# Altium PCB Delay.PcbDoc (part 1 of 2) (continued)
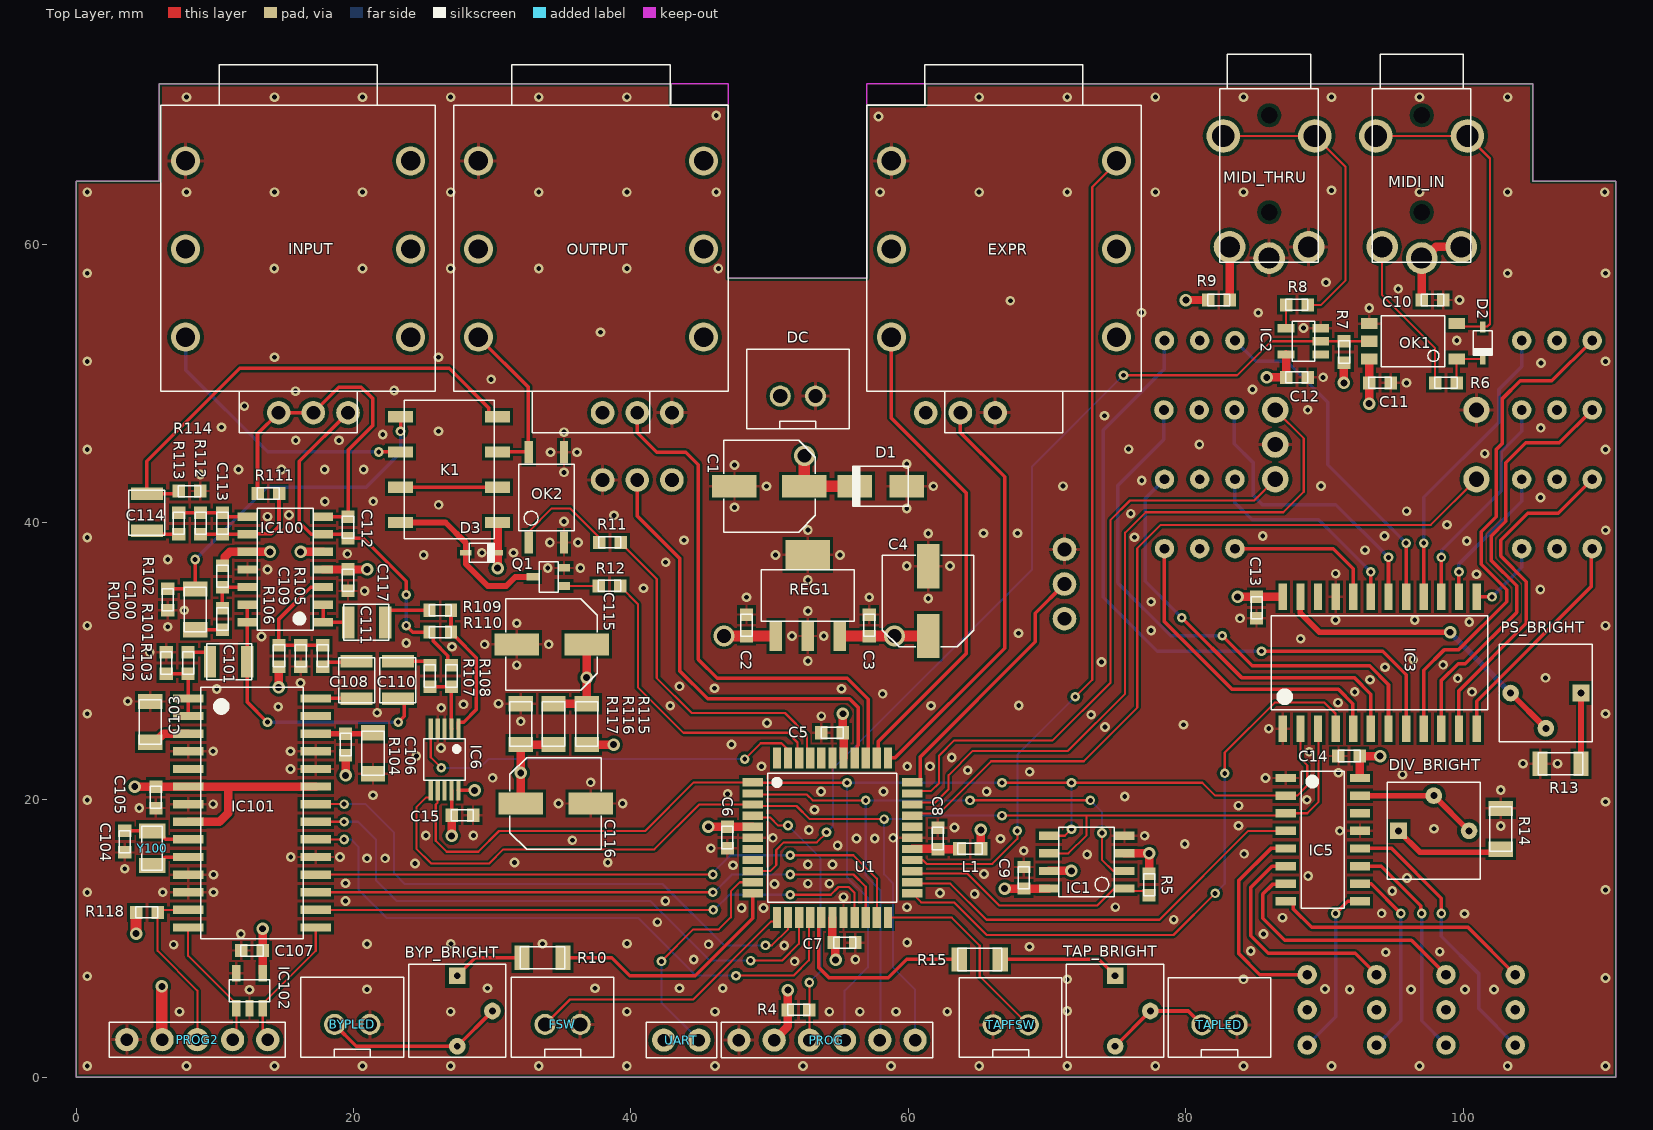
[diagram p0: Top Layer view]
## Footprints (in the part's own frame and the unit in brackets; to place one, negate y for a bottom-side part, rotate by r counter-clockwise, add the part's x,y. Pads: shape width x height; smd on the part's side, far side on the other; paste and mask are expansions set on the pad) (continued)
STEREO [mm]
  round 2.1 hole 1.4: R(0,8.115) RN(0,-8.115) S(6.35,8.115) SN(6.35,-8.115) T(-6.35,8.115) TN(-6.35,-8.115)
  silkscreen extent -13.25,-9.91 13.3,9.91, body extent -14.28,-9.97 14.28,10.03, height 15.5
STEREO_3.5 [mm]
  round 2.285 hole 1.523: R(-2.85,-5.6) S(0,-6.4) S(2.85,-5.6)
  round 2.419 hole 1.613: T(-3.3,2.4) T(3.3,2.4)
  round 0.55 hole 1.2 unplated: ""(0,-3.1) ""(0,3.9)
  silkscreen extent -3.55,-6.7 3.55,8.3, body extent -3.5,-6.31 3.5,8.32, height 6
TLP175A [mm] "SOP, 4-Leads, Body 3.75x4.60mm, Pitch 2.54mm, IPC Medium Density"
  rect 1.6x0.6 smd: 1(-3.25,1.27) 3(-3.25,-1.27) 4(3.25,-1.27) 6(3.25,1.27)
  silkscreen extent -2.4,-2 2.4,2, body extent -3.43,-2 3.43,2, height 2.02
TLP2361 [mm]
  rect 1.2x0.8 smd: 1(-3.15,1.27) 3(-3.15,-1.27) 4(3.15,-1.27) 5(3.15,0) 6(3.15,1.27)
  silkscreen extent -2.27,-1.85 2.27,1.85, body extent -3.47,-1.85 3.47,1.85, height 2.18
TQFP44 [mm]
  rect 1.5x0.6 smd paste-0.075: 1(-5.75,4) 2(-5.75,3.2) 3(-5.75,2.4) 4(-5.75,1.6) 5(-5.75,0.8) 6(-5.75,0) 7(-5.75,-0.8) 8(-5.75,-1.6) 9(-5.75,-2.4) 10(-5.75,-3.2) 11(-5.75,-4) 23(5.75,-4) 24(5.75,-3.2) 25(5.75,-2.4) 26(5.75,-1.6) 27(5.75,-0.8) 28(5.75,0) 29(5.75,0.8) 30(5.75,1.6) 31(5.75,2.4) 32(5.75,3.2) 33(5.75,4)
  rect 0.6x1.5 smd paste-0.075: 12(-4,-5.75) 13(-3.2,-5.75) 14(-2.4,-5.75) 15(-1.6,-5.75) 16(-0.8,-5.75) 17(0,-5.75) 18(0.8,-5.75) 19(1.6,-5.75) 20(2.4,-5.75) 21(3.2,-5.75) 22(4,-5.75) 34(4,5.75) 35(3.2,5.75) 36(2.4,5.75) 37(1.6,5.75) 38(0.8,5.75) 39(0,5.75) 40(-0.8,5.75) 41(-1.6,5.75) 42(-2.4,5.75) 43(-3.2,5.75) 44(-4,5.75)
  silkscreen extent -4.65,-4.65 4.65,4.65, body extent -6,-6 6,6, height 1.2

## Part data
BYP_BRIGHT DIV_BRIGHT PS_BRIGHT TAP_BRIGHT: library part TRIM_10kB_3362P, "10k Lin 3362P trimmer", Price=0.1
BYPLED FSW TAPFSW TAPLED: library part JST-XH-02, "2 Pins male XH header", Price=0.1
C1 C4 C115: library part MCVVT025M101EA6L, "CAP ALUM 100UF 25V SMD", Capacitance=100uF, Manufacturer=Multicomp, Max Operating Temperature=105°C, Min Operating Temperature=-55°C, Ripple Current (AC)=6.3mA, Supplier Part Number 1=2611370, Voltage Rating=25V, ComponentLink1Description=http://www.farnell.com/datasheets/2151198.pdf?src-supplier=Element14, ComponentLink1URL=http://www.farnell.com/datasheets/2151198.pdf?src-supplier=Element14, Diameter=6.3mm, Height=7.7mm, Life (Hours)=2000Hour, Manufacturer Part Number=MCVVT025M101EA6L, Packaging="Tape and Reel", Price=0.102, Pricing="1=0.157, 50=0.104, 100=0.0932, 250=0.0801, 500=0.0681 (EUR)", REACH SVHC="No SVHC", RoHS=No, Stock=1063, Supplier 1=Farnell, Voltage Rating (DC)=25V
C2 C3 C5 C6 C7 C8 C9 C10 C11 C12 C13 C14 C15 C105 C107 C117: library part MC0603B104K500CT, "CAP CER 100NF 50V X7R 0603", Capacitance=100nF, Case Code (Imperial)=0603, Case Code (Metric)=1608, Dielectric=X7R, Manufacturer=Multicomp, Max Operating Temperature=125°C, Min Operating Temperature=-55°C, Supplier Part Number 1=1759122, Tolerance=10%, Voltage Rating=50V, Case/Package=0603, ComponentLink1Description=https://datasheet.ciiva.com/22686/1901289-22686278.pdf?src-supplier=Element14, ComponentLink1URL=https://datasheet.ciiva.com/22686/1901289-22686278.pdf?src-supplier=Element14, ComponentLink2Description=https://datasheet.ciiva.com/22686/1901289-22686279.pdf?src-supplier=Element14, ComponentLink2URL=https://datasheet.ciiva.com/22686/1901289-22686279.pdf?src-supplier=Element14, ComponentLink3Description=https://datasheet.ciiva.com/22648/1901289-22648411.pdf?src-supplier=Element14, ComponentLink3URL=https://datasheet.ciiva.com/22648/1901289-22648411.pdf?src-supplier=Element14, Manufacturer Part Number=MC0603B104K500CT, Number of Pins=2, Packaging="Cut Tape", Price=0.0458, REACH SVHC=Unknown, RoHS=Yes, Stock 1=1057763, Supplier 1=Farnell, Voltage Rating (DC)=50V
C100: library part GRM31C5C1H104JA01L, "CAP CER 100NF 50V C0G/NP0 1206", Capacitance=100nF, Case Code (Imperial)=1206, Case Code (Metric)=3216, Dielectric=C0G, Manufacturer=Murata, Max Operating Temperature=125°C, Min Operating Temperature=-55°C, Package Quantity=1, Supplier Part Number 1=2494294, Temperature Coefficient=30ppm/°C, Tolerance=5%, Voltage=50V, Case/Package=1206, ComponentLink1Description=https://datasheet.ciiva.com/11618/product-11618880.pdf?src-supplier=Avnet, ComponentLink1URL=https://datasheet.ciiva.com/11618/product-11618880.pdf?src-supplier=Avnet, ComponentLink2Description=https://datasheet.ciiva.com/29200/453430-da-01-en-vs-kondensator-1206-29200201.pdf?src-supplier=Conrad, ComponentLink2URL=https://datasheet.ciiva.com/29200/453430-da-01-en-vs-kondensator-1206-29200201.pdf?src-supplier=Conrad, ComponentLink3Description=https://datasheet.ciiva.com/5420/product-5420070.pdf?src-supplier=Mouser, ComponentLink3URL=https://datasheet.ciiva.com/5420/product-5420070.pdf?src-supplier=Mouser, ComponentLink4Description=https://datasheet.ciiva.com/16461/product-16461275.pdf?src-supplier=Future+Electronics, ComponentLink4URL=https://datasheet.ciiva.com/16461/product-16461275.pdf?src-supplier=Future+Electronics, ComponentLink5Description=https://datasheet.ciiva.com/6270/partnumbering-e-01-6270255.pdf?src-supplier=Digi-Key, ComponentLink5URL=https://datasheet.ciiva.com/6270/partnumbering-e-01-6270255.pdf?src-supplier=Digi-Key, Depth=1.6mm, Height=1.6mm, Lead Free="Lead Free", Length=3.2mm, Manufacturer Part Number=GRM31C5C1H104JA01L, Material=Ceramic, Mount="Surface Mount", Packaging="Tape and Reel", Price=0.31, Pricing 1="5 = 0.62500, 50 = 0.31000, 250 = 0.29700, 500 = 0.22200, 1000 = 0.18900 (EUR)", Radiation Hardening=No, REACH SVHC="No SVHC", RoHS=Yes, Stock 1=206865, Supplier 1=Farnell, Termination=SMD/SMT, Thickness=0.071inch, Voltage Rating=50V, Voltage Rating (DC)=50V, Weight=0.000571oz, Width=0.063inch
C101 C108 C110 C111 C114: library part ECP-U1C105MA5, "CAP FILM 1UF 16V 20%", Capacitance=1uF, Case Code (Imperial)=1210, Case Code (Metric)=3225, Dielectric=PPS, Insulation Resistance=300MR, Manufacturer=Panasonic, Max Operating Temperature=85°C, Min Operating Temperature=-40°C, Package Quantity=1, Supplier Part Number 1=9694315, Tolerance=20%, Voltage=16V, Case/Package=1210, Category="Film Capacitors", ComponentLink1Description=https://datasheet.ciiva.com/24023/abd0000ce12-181823-24023616.pdf?src-supplier=Mouser, ComponentLink1URL=https://datasheet.ciiva.com/24023/abd0000ce12-181823-24023616.pdf?src-supplier=Mouser, ComponentLink2Description=https://datasheet.ciiva.com/34303/1983192-34303533.pdf?src-supplier=Jameco, ComponentLink2URL=https://datasheet.ciiva.com/34303/1983192-34303533.pdf?src-supplier=Jameco, ComponentLink3Description=https://datasheet.ciiva.com/11790/0900766b80f2ea72-11790686.pdf?src-supplier=RSComponents, ComponentLink3URL=https://datasheet.ciiva.com/11790/0900766b80f2ea72-11790686.pdf?src-supplier=RSComponents, ComponentLink4Description=https://datasheet.ciiva.com/2992/abd0000ce12-2992994.pdf?src-supplier=Avnet, ComponentLink4URL=https://datasheet.ciiva.com/2992/abd0000ce12-2992994.pdf?src-supplier=Avnet, ComponentLink5Description=https://datasheet.ciiva.com/2992/abd0000ce12-2992995.pdf?src-supplier=Avnet, ComponentLink5URL=https://datasheet.ciiva.com/2992/abd0000ce12-2992995.pdf?src-supplier=Avnet, ComponentLink6Description=https://datasheet.ciiva.com/46399/31740-46399788.pdf?src-supplier=Element14, ComponentLink6URL=https://datasheet.ciiva.com/46399/31740-46399788.pdf?src-supplier=Element14, ComponentLink7Description=https://datasheet.ciiva.com/16433/abd0000ce12-16433502.pdf?src-supplier=Future+Electronics, ComponentLink7URL=https://datasheet.ciiva.com/16433/abd0000ce12-16433502.pdf?src-supplier=Future+Electronics, ComponentLink8Description=https://datasheet.ciiva.com/5710/31740-5710134.pdf?src-supplier=Farnell, ComponentLink8URL=https://datasheet.ciiva.com/5710/31740-5710134.pdf?src-supplier=Farnell, ComponentLink9Description=https://datasheet.ciiva.com/30120/abd0000ce12-30120298.pdf?src-supplier=Onlinecomponents.com, ComponentLink9URL=https://datasheet.ciiva.com/30120/abd0000ce12-30120298.pdf?src-supplier=Onlinecomponents.com, ComponentLink10Description=https://datasheet.ciiva.com/46399/31740-46399787.pdf?src-supplier=Element14, ComponentLink10URL=https://datasheet.ciiva.com/46399/31740-46399787.pdf?src-supplier=Element14, ComponentLink11Description=https://datasheet.ciiva.com/15164/getdatasheetpartid-292104-15164029.pdf?src-supplier=Verical, ComponentLink11URL=https://datasheet.ciiva.com/15164/getdatasheetpartid-292104-15164029.pdf?src-supplier=Verical, Contact Plating=Copper,Tin,Silver, Depth=2.5mm, Dissipation Factor=1.5%, Height=1.4mm, Height - Seated (Max)=0.063inch, Lead Free="Lead Free", Length=3.2mm, Manufacturer Part Number=ECP-U1C105MA5, Mount="Surface Mount", Number of Pins=2, Packaging="Tape and Reel", Pricing="5=0.65900, 50=0.39900, 250=0.33300, 500=0.27300, 1000=0.26400 (EUR)", Radiation Hardening=No, REACH SVHC="No SVHC", RoHS=Yes, Stock=7744, Supplier 1=Farnell, Termination=SMD/SMT, Voltage Rating=16V, Voltage Rating (DC)=16V, Width=2.5mm
C102 C109: library part GRM1885C1H222JA01D, "CAP CER 2.2NF 50V C0G/NP0 0603", Capacitance=2.2nF, Case Code (Imperial)=0603, Case Code (Metric)=1608, Dielectric=C0G, Dielectric Material=Ceramic, Insulation Resistance=10GR, Manufacturer=Murata, Max Operating Temperature=125°C, Min Operating Temperature=-55°C, Package Quantity=1, Supplier Part Number 1=8819947, Temperature Coefficient=30ppm/°C, Tolerance=5%, Voltage=50V, Case/Package=0603, ComponentLink1Description=https://datasheet.ciiva.com/11786/0900766b807a1cab-11786840.pdf?src-supplier=RSComponents, ComponentLink1URL=https://datasheet.ciiva.com/11786/0900766b807a1cab-11786840.pdf?src-supplier=RSComponents, ComponentLink2Description=https://datasheet.ciiva.com/3777/1632grm1885c1h222ja0123-3777835.pdf?src-supplier=Arrow, ComponentLink2URL=https://datasheet.ciiva.com/3777/1632grm1885c1h222ja0123-3777835.pdf?src-supplier=Arrow, ComponentLink3Description=https://datasheet.ciiva.com/2989/product-2989459.pdf?src-supplier=Avnet, ComponentLink3URL=https://datasheet.ciiva.com/2989/product-2989459.pdf?src-supplier=Avnet, ComponentLink4Description=https://datasheet.ciiva.com/6031/4360-6031797.pdf?src-supplier=Farnell, ComponentLink4URL=https://datasheet.ciiva.com/6031/4360-6031797.pdf?src-supplier=Farnell, ComponentLink5Description=https://datasheet.ciiva.com/7828/4360-7828918.pdf?src-supplier=Element14, ComponentLink5URL=https://datasheet.ciiva.com/7828/4360-7828918.pdf?src-supplier=Element14, ComponentLink6Description=https://datasheet.ciiva.com/11463/product-11463974.pdf?src-supplier=Avnet, ComponentLink6URL=https://datasheet.ciiva.com/11463/product-11463974.pdf?src-supplier=Avnet, ComponentLink7Description=https://datasheet.ciiva.com/16624/product-16624150.pdf?src-supplier=Avnet+Europe, ComponentLink7URL=https://datasheet.ciiva.com/16624/product-16624150.pdf?src-supplier=Avnet+Europe, ComponentLink8Description=https://datasheet.ciiva.com/7828/1747455-7828919.pdf?src-supplier=Element14, ComponentLink8URL=https://datasheet.ciiva.com/7828/1747455-7828919.pdf?src-supplier=Element14, ComponentLink9Description=https://datasheet.ciiva.com/133/partnumbering-e-01-133576.pdf?src-supplier=Digi-Key, ComponentLink9URL=https://datasheet.ciiva.com/133/partnumbering-e-01-133576.pdf?src-supplier=Digi-Key, ComponentLink10Description=https://datasheet.ciiva.com/7828/1747455-7828920.pdf?src-supplier=Element14, ComponentLink10URL=https://datasheet.ciiva.com/7828/1747455-7828920.pdf?src-supplier=Element14, ComponentLink11Description=https://datasheet.ciiva.com/133/partnumbering-e-01-133577.pdf?src-supplier=Digi-Key, ComponentLink11URL=https://datasheet.ciiva.com/133/partnumbering-e-01-133577.pdf?src-supplier=Digi-Key, ComponentLink12Description=https://datasheet.ciiva.com/133/partnumbering-e-01-133578.pdf?src-supplier=Digi-Key, ComponentLink12URL=https://datasheet.ciiva.com/133/partnumbering-e-01-133578.pdf?src-supplier=Digi-Key, ComponentLink13Description=https://datasheet.ciiva.com/29241/450664-da-01-en-vs-kondensator-0603-29241770.pdf?src-supplier=Conrad, ComponentLink13URL=https://datasheet.ciiva.com/29241/450664-da-01-en-vs-kondensator-0603-29241770.pdf?src-supplier=Conrad, Depth=0.8mm, Height=0.8mm, Lead Free="Lead Free", Length=1.6mm, Manufacturer Part Number=GRM1885C1H222JA01D, Material=Ceramic, Mount="Surface Mount", Number of Pins=2, Packaging="Tape and Reel", Price=0.0217, Pricing 1="10 = 0.11000, 100 = 0.05180, 500 = 0.04100, 1000 = 0.03510, 2000 = 0.03080 (EUR)", Radiation Hardening=No, REACH SVHC="No SVHC", RoHS=Yes, Stock 1=81117, Supplier 1=Farnell, Termination=SMD/SMT, Thickness=0.035inch, Voltage Rating=50V, Voltage Rating (DC)=50V, Width=0.8mm
C103 C106: library part TMK316B7106KL-TD, "CAP CER 10uF 25V X7R 1206", Capacitance=10uF, Case Code (Imperial)=1206, Case Code (Metric)=3216, Dielectric=X7R, Manufacturer="Taiyo Yuden", Max Operating Temperature=125°C, Min Operating Temperature=-55°C, Package Quantity=1, Resistor Type=Ceramic, Supplier Part Number 1=2113073, Tolerance=10%, Voltage Rating=25V, Case/Package=1206, Category="Ceramic Capacitors", ComponentLink1Description=https://datasheet.ciiva.com/15922/582tmk316ab7106kl-t-15922403.pdf?src-supplier=Onlinecomponents.com, ComponentLink1URL=https://datasheet.ciiva.com/15922/582tmk316ab7106kl-t-15922403.pdf?src-supplier=Onlinecomponents.com, ComponentLink2Description=https://datasheet.ciiva.com/7975/1784422-7975593.pdf?src-supplier=Element14, ComponentLink2URL=https://datasheet.ciiva.com/7975/1784422-7975593.pdf?src-supplier=Element14, ComponentLink3Description=https://datasheet.ciiva.com/30123/25tmk316ab7106kl-t-30123726.pdf?src-supplier=Onlinecomponents.com, ComponentLink3URL=https://datasheet.ciiva.com/30123/25tmk316ab7106kl-t-30123726.pdf?src-supplier=Onlinecomponents.com, ComponentLink4Description=https://datasheet.ciiva.com/7975/mlcc-all-e-7975834.pdf?src-supplier=Element14, ComponentLink4URL=https://datasheet.ciiva.com/7975/mlcc-all-e-7975834.pdf?src-supplier=Element14, ComponentLink5Description=https://datasheet.ciiva.com/139/mlcc-all-e-139531.pdf?src-supplier=Digi-Key, ComponentLink5URL=https://datasheet.ciiva.com/139/mlcc-all-e-139531.pdf?src-supplier=Digi-Key, ComponentLink6Description=https://datasheet.ciiva.com/22748/1481447-22748971.pdf?src-supplier=Element14, ComponentLink6URL=https://datasheet.ciiva.com/22748/1481447-22748971.pdf?src-supplier=Element14, ComponentLink7Description=https://datasheet.ciiva.com/139/mlcc-all-e-139532.pdf?src-supplier=Digi-Key, ComponentLink7URL=https://datasheet.ciiva.com/139/mlcc-all-e-139532.pdf?src-supplier=Digi-Key, ComponentLink8Description=https://datasheet.ciiva.com/139/mlcc-all-e-139533.pdf?src-supplier=Digi-Key, ComponentLink8URL=https://datasheet.ciiva.com/139/mlcc-all-e-139533.pdf?src-supplier=Digi-Key, Height=1.6mm, Length=0.126inch, Manufacturer Part Number=TMK316B7106KL-TD, Mount="Surface Mount", Number of Pins=2, Packaging="Tape and Reel", Price=0.149, REACH SVHC=Unknown, RoHS=Yes, Stock=588931, Supplier 1=Farnell, Termination=SMD/SMT, Thickness=0.071inch, Voltage Rating (DC)=25V, Weight=0.000571oz, Width=1.6mm
C104: library part MC0603N150J500CT, "CAP CER 15PF 50V C0G/NP0 0603", Capacitance=15pF, Case Code (Imperial)=0603, Case Code (Metric)=1608, Dielectric=C0G, Manufacturer=Multicomp, Max Operating Temperature=125°C, Min Operating Temperature=-55°C, Supplier Part Number 1=1759055, Temperature Coefficient=30ppm/°C, Tolerance=5%, Voltage Rating=50V, Case/Package=0603, Category="Ceramic Capacitors", ComponentLink1Description=https://datasheet.ciiva.com/22675/1901289-22675815.pdf?src-supplier=Element14, ComponentLink1URL=https://datasheet.ciiva.com/22675/1901289-22675815.pdf?src-supplier=Element14, ComponentLink2Description=https://datasheet.ciiva.com/22675/1901289-22675816.pdf?src-supplier=Element14, ComponentLink2URL=https://datasheet.ciiva.com/22675/1901289-22675816.pdf?src-supplier=Element14, ComponentLink3Description=https://datasheet.ciiva.com/22648/1901289-22648477.pdf?src-supplier=Element14, ComponentLink3URL=https://datasheet.ciiva.com/22648/1901289-22648477.pdf?src-supplier=Element14, Manufacturer Part Number=MC0603N150J500CT, Number of Pins=2, Packaging="Tape and Reel", Price=0.0356, Pricing="10=0.04660, 100=0.03490, 500=0.02000, 1000=0.01400, 2000=0.01240 (EUR)", REACH SVHC=Unknown, RoHS=Yes, Stock=62089, Supplier 1=Farnell, Voltage Rating (DC)=50V, Width=0.8mm
C112: library part MC0603N221J500CT, "CAP CER 220PF 50V C0G/NP0 0603", Capacitance=220pF, Case Code (Imperial)=0603, Case Code (Metric)=1608, Dielectric=C0G, Manufacturer=Multicomp, Max Operating Temperature=125°C, Min Operating Temperature=-55°C, Supplier Part Number 1=1759071, Tolerance=5%, Voltage Rating=50V, Case/Package=0603, ComponentLink1Description=https://datasheet.ciiva.com/22648/1901289-22648489.pdf?src-supplier=Element14, ComponentLink1URL=https://datasheet.ciiva.com/22648/1901289-22648489.pdf?src-supplier=Element14, ComponentLink2Description=https://datasheet.ciiva.com/22675/1901289-22675354.pdf?src-supplier=Element14, ComponentLink2URL=https://datasheet.ciiva.com/22675/1901289-22675354.pdf?src-supplier=Element14, ComponentLink3Description=https://datasheet.ciiva.com/22675/1901289-22675355.pdf?src-supplier=Element14, ComponentLink3URL=https://datasheet.ciiva.com/22675/1901289-22675355.pdf?src-supplier=Element14, Manufacturer Part Number=MC0603N221J500CT, Number of Pins=2, Packaging="Cut Tape", Price=0.0192, Pricing="10=0.027, 100=0.0219, 500=0.0135, 1000=0.0107, 2000=0.0098 (EUR)", REACH SVHC=Unknown, RoHS=Yes, Stock=17812, Supplier 1=Farnell, Voltage Rating (DC)=50V
C113: library part MC0603N471J500CT, "CAP CER 470PF 50V C0G/NP0 0603", Capacitance=470pF, Case Code (Imperial)=0603, Case Code (Metric)=1608, Dielectric=C0G, Manufacturer=Multicomp, Max Operating Temperature=125°C, Min Operating Temperature=-55°C, Supplier Part Number 1=1759080, Temperature Coefficient=30ppm/°C, Tolerance=5%, Voltage Rating=50V, Case/Package=0603, ComponentLink1Description=https://datasheet.ciiva.com/22648/1901289-22648504.pdf?src-supplier=Element14, ComponentLink1URL=https://datasheet.ciiva.com/22648/1901289-22648504.pdf?src-supplier=Element14, ComponentLink2Description=https://datasheet.ciiva.com/22675/1901289-22675320.pdf?src-supplier=Element14, ComponentLink2URL=https://datasheet.ciiva.com/22675/1901289-22675320.pdf?src-supplier=Element14, ComponentLink3Description=https://datasheet.ciiva.com/22648/1901289-22648505.pdf?src-supplier=Element14, ComponentLink3URL=https://datasheet.ciiva.com/22648/1901289-22648505.pdf?src-supplier=Element14, Manufacturer Part Number=MC0603N471J500CT, Number of Pins=2, Packaging="Cut Tape", Price=0.035, Pricing="10=0.0522, 100=0.0354, 500=0.0206, 1000=0.0189, 2000=0.0171 (EUR)", REACH SVHC=Unknown, RoHS=Yes, Stock=33267, Supplier 1=Farnell, Voltage Rating (DC)=50V, Width=0.8mm
C116: library part MCVVT025M470EA1L, "CAP ALUM 47UF 25V SMD", Capacitance=47uF, Manufacturer=Multicomp, Max Operating Temperature=105°C, Min Operating Temperature=-55°C, Ripple Current (AC)=6.3mA, Supplier Part Number 1=2611377, Voltage Rating=25V, ComponentLink1Description=http://www.farnell.com/datasheets/2151198.pdf?src-supplier=Farnell, ComponentLink1URL=http://www.farnell.com/datasheets/2151198.pdf?src-supplier=Farnell, ComponentLink2Description=http://www.farnell.com/datasheets/2151198.pdf?src-supplier=Element14, ComponentLink2URL=http://www.farnell.com/datasheets/2151198.pdf?src-supplier=Element14, Diameter=6.3mm, Height=5.4mm, Life (Hours)=2000Hour, Manufacturer Part Number=MCVVT025M470EA1L, Packaging="Cut Tape", Price=0.0825, Pricing="1=0.125, 50=0.0825, 100=0.0741, 250=0.0637, 500=0.0542 (EUR)", REACH SVHC="No SVHC", RoHS=No, Stock=1436, Supplier 1=Farnell, Voltage Rating (DC)=25V
D0_4 D0_8 D1_5 D1_9 D2_6 D2_10 D3_7 D3_11 D4_12 D5_13 D6_14 D7_15: library part D_BICOLOR_LED, "BICOLOR LED"
D1: "DIODE GEN PURP 50V 1A SMA", Average Rectified Current=1A, Capacitance=12pF, Case/Package=SMA, Forward Voltage=1.1V, Manufacturer="ON Semiconductor / Fairchild", Max Forward Surge Current (Ifsm)=30A, Max Operating Temperature=150°C, Max Repetitive Reverse Voltage (Vrrm)=50V, Max Surge Current=40A, Min Operating Temperature=-55°C, Package Quantity=1, Peak Reverse Current=1uA, Power Dissipation=1.4W, Supplier Part Number 1=9843868, ComponentLink1Description=https://datasheet.ciiva.com/910/s1a-910480.pdf?src-supplier=Avnet, ComponentLink1URL=https://datasheet.ciiva.com/910/s1a-910480.pdf?src-supplier=Avnet, ComponentLink2Description=https://datasheet.ciiva.com/23683/1730038-23683616.pdf?src-supplier=Newark, ComponentLink2URL=https://datasheet.ciiva.com/23683/1730038-23683616.pdf?src-supplier=Newark, ComponentLink3Description=https://datasheet.ciiva.com/4452/s1a-191336-4452662.pdf?src-supplier=Mouser, ComponentLink3URL=https://datasheet.ciiva.com/4452/s1a-191336-4452662.pdf?src-supplier=Mouser, ComponentLink4Description=https://datasheet.ciiva.com/25624/0900766b80f9b629-25624903.pdf?src-supplier=RSComponents, ComponentLink4URL=https://datasheet.ciiva.com/25624/0900766b80f9b629-25624903.pdf?src-supplier=RSComponents, ComponentLink5Description=https://datasheet.ciiva.com/916/s1a-916898.pdf?src-supplier=Digi-Key, ComponentLink5URL=https://datasheet.ciiva.com/916/s1a-916898.pdf?src-supplier=Digi-Key, ComponentLink6Description=https://datasheet.ciiva.com/916/s1a-916899.pdf?src-supplier=Digi-Key, ComponentLink6URL=https://datasheet.ciiva.com/916/s1a-916899.pdf?src-supplier=Digi-Key, ComponentLink7Description=https://datasheet.ciiva.com/916/s1a-916900.pdf?src-supplier=Digi-Key, ComponentLink7URL=https://datasheet.ciiva.com/916/s1a-916900.pdf?src-supplier=Digi-Key, ComponentLink8Description=https://datasheet.ciiva.com/16800/s1a-16800103.pdf?src-supplier=Future+Electronics, ComponentLink8URL=https://datasheet.ciiva.com/16800/s1a-16800103.pdf?src-supplier=Future+Electronics, ComponentLink9Description=https://datasheet.ciiva.com/28469/1766308-28469031.pdf?src-supplier=Element14, ComponentLink9URL=https://datasheet.ciiva.com/28469/1766308-28469031.pdf?src-supplier=Element14, ComponentLink10Description=https://datasheet.ciiva.com/26231/s1k-26231832.pdf?src-supplier=Avnet+Europe, ComponentLink10URL=https://datasheet.ciiva.com/26231/s1k-26231832.pdf?src-supplier=Avnet+Europe, ComponentLink11Description=https://datasheet.ciiva.com/16474/s1k-16474283.pdf?src-supplier=Avnet+Asia, ComponentLink11URL=https://datasheet.ciiva.com/16474/s1k-16474283.pdf?src-supplier=Avnet+Asia, Contact Plating=Tin, Current Rating=1A, Element Configuration=Single, Forward Current=1A, Lead Free="Lead Free", Manufacturer Part Number=S1A, Max Reverse Voltage (DC)=50V, Mount="Surface Mount", Number of Pins=2, Output Current=1A, Packaging="Tape and Reel", Peak Non-Repetitive Surge Current=30A, Polarity=Standard, Price=0.072, Pricing="5=0.184, 25=0.179, 100=0.0727, 250=0.0669, 500=0.0667, 1000=0.0364, 5000=0.0293 (EUR)", Radiation Hardening=No, REACH SVHC="No SVHC", Recovery Time=1800ns, Reverse Recovery Time=1.8us, Reverse Voltage=50V, RoHS=Yes, Stock=34555, Supplier 1=Farnell, Voltage Rating (DC)=50V, Weight=0.106g, Width=5.28mm
D2 D3: "DIODE GEN PURP 75V 150MA SOD323F", Average Rectified Current=150mA, Forward Voltage=1V, Manufacturer="ON Semiconductor / Fairchild", Max Forward Surge Current (Ifsm)=2A, Max Operating Temperature=150°C, Max Repetitive Reverse Voltage (Vrrm)=75V, Min Operating Temperature=-55°C, Package Quantity=1, Peak Reverse Current=5uA, Power Dissipation=200mW, Supplier Part Number 1=2453269, ComponentLink1Description=https://datasheet.ciiva.com/25968/1n914bws-25968945.pdf?src-supplier=Avnet+Europe, ComponentLink1URL=https://datasheet.ciiva.com/25968/1n914bws-25968945.pdf?src-supplier=Avnet+Europe, ComponentLink2Description=https://datasheet.ciiva.com/30479/0900766b810e1cd3-30479206.pdf?src-supplier=RSComponents, ComponentLink2URL=https://datasheet.ciiva.com/30479/0900766b810e1cd3-30479206.pdf?src-supplier=RSComponents, ComponentLink3Description=https://datasheet.ciiva.com/15208/getdatasheetpartid-127819-15208358.pdf?src-supplier=Verical, ComponentLink3URL=https://datasheet.ciiva.com/15208/getdatasheetpartid-127819-15208358.pdf?src-supplier=Verical, ComponentLink4Description=https://datasheet.ciiva.com/8300/1n914bws-8300360.pdf?src-supplier=Avnet, ComponentLink4URL=https://datasheet.ciiva.com/8300/1n914bws-8300360.pdf?src-supplier=Avnet, ComponentLink5Description=https://datasheet.ciiva.com/910/1n4148ws-910380.pdf?src-supplier=Digi-Key, ComponentLink5URL=https://datasheet.ciiva.com/910/1n4148ws-910380.pdf?src-supplier=Digi-Key, ComponentLink6Description=https://datasheet.ciiva.com/910/1n4148ws-910381.pdf?src-supplier=Digi-Key, ComponentLink6URL=https://datasheet.ciiva.com/910/1n4148ws-910381.pdf?src-supplier=Digi-Key, ComponentLink7Description=https://datasheet.ciiva.com/910/1n4148ws-910382.pdf?src-supplier=Digi-Key, ComponentLink7URL=https://datasheet.ciiva.com/910/1n4148ws-910382.pdf?src-supplier=Digi-Key, Contact Plating=Tin, Element Configuration=Single, Forward Current=150mA, Height=1mm, Lead Free="Lead Free", Length=1.8mm, Manufacturer Part Number=1N4148WS, Max Reverse Voltage (DC)=75V, Mount="Surface Mount", Number of Pins=2, Packaging="Tape and Reel", Price=0.0521, Pricing="5=0.155, 25=0.151, 100=0.0529, 250=0.0498, 500=0.0477, 1000=0.0243, 5000=0.0193 (EUR)", Radiation Hardening=No, REACH SVHC="No SVHC", Recovery Time=4ns, Reverse Recovery Time=4ns, Reverse Voltage=75V, RoHS=Yes, Stock=379338, Supplier 1=Farnell, Weight=0.0276g, Width=1.35mm
DC: "2 Pins male XH header", Price=0.1
EXPR INPUT OUTPUT: "6.35mm stereo insulated socket jack PCB mounted", Price=0.5
IC1: library part M95256-WMN6P, "IC EEPROM 256K SPI 20MHZ 8SO", Case/Package=SOIC, Frequency=5MHz, Manufacturer=STMicroelectronics, Max Operating Temperature=85°C, Max Supply Voltage=5.5V, Min Operating Temperature=-40°C, Min Supply Voltage=2.5V, Nominal Supply Current=5mA, Package Quantity=100, Supplier Part Number 1=1099712, Access Time=60ns, Category=EEPROM, ComponentLink1Description=https://datasheet.ciiva.com/4859/cd00103810-224498-4859620.pdf?src-supplier=Mouser, ComponentLink1URL=https://datasheet.ciiva.com/4859/cd00103810-224498-4859620.pdf?src-supplier=Mouser, ComponentLink2Description=https://datasheet.ciiva.com/15123/getdatasheetpartid-42741-15123093.pdf?src-supplier=Verical, ComponentLink2URL=https://datasheet.ciiva.com/15123/getdatasheetpartid-42741-15123093.pdf?src-supplier=Verical, ComponentLink3Description=https://datasheet.ciiva.com/14163/m95256-w-eng-tds-14163003.pdf?src-supplier=Distrelec, ComponentLink3URL=https://datasheet.ciiva.com/14163/m95256-w-eng-tds-14163003.pdf?src-supplier=Distrelec, ComponentLink4Description=https://datasheet.ciiva.com/1905/cd00103810-1905381.pdf?src-supplier=Digi-Key, ComponentLink4URL=https://datasheet.ciiva.com/1905/cd00103810-1905381.pdf?src-supplier=Digi-Key, ComponentLink5Description=https://datasheet.ciiva.com/8055/1723939-8055206.pdf?src-supplier=Element14, ComponentLink5URL=https://datasheet.ciiva.com/8055/1723939-8055206.pdf?src-supplier=Element14, ComponentLink6Description=https://datasheet.ciiva.com/16622/cd00103810-16622983.pdf?src-supplier=Avnet+Europe, ComponentLink6URL=https://datasheet.ciiva.com/16622/cd00103810-16622983.pdf?src-supplier=Avnet+Europe, ComponentLink7Description=https://datasheet.ciiva.com/41455/001185592-da-01-en-ic-eepr-256kbit-m95256-wmn6p-soic-8-stm-41455210.pdf?src-supplier=Conrad, ComponentLink7URL=https://datasheet.ciiva.com/41455/001185592-da-01-en-ic-eepr-256kbit-m95256-wmn6p-soic-8-stm-41455210.pdf?src-supplier=Conrad, Contact Plating=Gold, Density=256Kb, Height=1.5mm, Interface=SPI,Serial, Lead Free="Lead Free", Length=5mm, Manufacturer Part Number=M95256-WMN6P, Max Frequency=5MHz, Memory Size=256Kb, Memory Type=EEPROM, Mount="Surface Mount", Number of Pins=8, Packaging=Rail/Tube, Price=0.492, Pricing="1=0.63300, 50=0.55300, 100=0.49000, 250=0.48700, 500=0.48300, 1000=0.46600, 2500=0.38800, 5000=0.37200 (EUR)", Radiation Hardening=No, REACH SVHC="No SVHC", RoHS=Yes, Stock=4109, Supplier 1=Farnell, Width=4mm
IC2: library part SN74LVC1G17QDBVRQ1, "Schmitt Trigger Buffer 1-CH Non-Inverting CMOS Automotive 5-Pin SOT-23 T/R", Case/Package=SOT-23-5, High Level Output Current=-32mA, Low Level Output Current=32mA, Manufacturer="Texas Instruments", Max Operating Temperature=125°C, Max Supply Voltage=5.5V, Min Operating Temperature=-40°C, Min Supply Voltage=1.65V, Package Quantity=3000, Quiescent Current=20uA, Supplier Part Number 1=2463773, Category="Logic Gates", ComponentLink1Description=https://datasheet.ciiva.com/26220/sn74lvc1g17-q1-26220672.pdf?src-supplier=Avnet+Europe, ComponentLink1URL=https://datasheet.ciiva.com/26220/sn74lvc1g17-q1-26220672.pdf?src-supplier=Avnet+Europe, ComponentLink2Description=https://datasheet.ciiva.com/6623/sn74lvc1g17-q1-6623803.pdf?src-supplier=Digi-Key, ComponentLink2URL=https://datasheet.ciiva.com/6623/sn74lvc1g17-q1-6623803.pdf?src-supplier=Digi-Key, ComponentLink3Description=https://datasheet.ciiva.com/6623/sn74lvc1g17-q1-6623805.pdf?src-supplier=Digi-Key, ComponentLink3URL=https://datasheet.ciiva.com/6623/sn74lvc1g17-q1-6623805.pdf?src-supplier=Digi-Key, ComponentLink4Description=https://datasheet.ciiva.com/14318/sces663a-14318069.pdf?src-supplier=Avnet, ComponentLink4URL=https://datasheet.ciiva.com/14318/sces663a-14318069.pdf?src-supplier=Avnet, ComponentLink5Description=https://datasheet.ciiva.com/46442/1840260-46442070.pdf?src-supplier=Element14, ComponentLink5URL=https://datasheet.ciiva.com/46442/1840260-46442070.pdf?src-supplier=Element14, ComponentLink6Description=https://datasheet.ciiva.com/6623/sn74lvc1g17-q1-6623804.pdf?src-supplier=Digi-Key, ComponentLink6URL=https://datasheet.ciiva.com/6623/sn74lvc1g17-q1-6623804.pdf?src-supplier=Digi-Key, Lead Free="Lead Free", Logic Function="Schmitt Trigger,Buffer", Manufacturer Part Number=SN74LVC1G17QDBVRQ1, Mount="Surface Mount", Number of Bits=1, Number of Bits per Element=1, Number of Channels=1, Number of Elements=1, Number of Input Lines=1, Number of Inputs=1, Number of Output Lines=1, Number of Outputs=1, Number of Pins=5, Packaging="Tape and Reel", Polarity=Non-Inverting, Price=0.165, Pricing="5=0.23100, 50=0.17800, 100=0.12400, 250=0.10900, 500=0.09450, 1000=0.07980, 5000=0.07410 (EUR)", Propagation Delay=8ns, Radiation Hardening=No, REACH SVHC="No SVHC", RoHS=Yes, Stock=8770, Supplier 1=Farnell, Turn-On Delay Time=14ns
IC3: library part STP16CPC26MTR, "IC LED DRIVER LIN DIM 90MA 24SO", Case/Package=SOIC, Frequency=30MHz, Manufacturer=STMicroelectronics, Max Input Voltage=5.5V, Max Operating Temperature=125°C, Max Supply Current=15.3mA, Min Input Voltage=3V, Min Operating Temperature=-40°C, Output Current=90mA, Output Voltage=20V, Package Quantity=1, Supplier Part Number 1=2460710, Category="LED Drivers", ComponentLink1Description=https://datasheet.ciiva.com/41458/001184648-da-01-en-ic-led-sink-dv-stp16cpc26mtr-soic-24-stm-41458200.pdf?src-supplier=Conrad, ComponentLink1URL=https://datasheet.ciiva.com/41458/001184648-da-01-en-ic-led-sink-dv-stp16cpc26mtr-soic-24-stm-41458200.pdf?src-supplier=Conrad, ComponentLink2Description=https://datasheet.ciiva.com/1947/cd00298756-1947651.pdf?src-supplier=Digi-Key, ComponentLink2URL=https://datasheet.ciiva.com/1947/cd00298756-1947651.pdf?src-supplier=Digi-Key, ComponentLink3Description=https://datasheet.ciiva.com/1947/cd00298756-1947652.pdf?src-supplier=Digi-Key, ComponentLink3URL=https://datasheet.ciiva.com/1947/cd00298756-1947652.pdf?src-supplier=Digi-Key, ComponentLink4Description=https://datasheet.ciiva.com/1947/cd00298756-1947653.pdf?src-supplier=Digi-Key, ComponentLink4URL=https://datasheet.ciiva.com/1947/cd00298756-1947653.pdf?src-supplier=Digi-Key, ComponentLink5Description=https://datasheet.ciiva.com/16491/cd00298756-16491784.pdf?src-supplier=Future+Electronics, ComponentLink5URL=https://datasheet.ciiva.com/16491/cd00298756-16491784.pdf?src-supplier=Future+Electronics, ComponentLink6Description=https://datasheet.ciiva.com/3165/cd00298756-3165289.pdf?src-supplier=Avnet, ComponentLink6URL=https://datasheet.ciiva.com/3165/cd00298756-3165289.pdf?src-supplier=Avnet, ComponentLink7Description=https://datasheet.ciiva.com/17015/cd00298756-17015228.pdf?src-supplier=Avnet+Europe, ComponentLink7URL=https://datasheet.ciiva.com/17015/cd00298756-17015228.pdf?src-supplier=Avnet+Europe, Lead Free="Lead Free", Manufacturer Part Number=STP16CPC26MTR, Max Supply Voltage=5.5V, Min Supply Voltage=3V, Mount="Surface Mount", Number of Outputs=16, Number of Pins=24, Output Current per Channel=90mA, Packaging="Tape and Reel", Price=1.09, Pricing="1=1.00000, 25=0.87800, 50=0.77600, 100=0.67400, 250=0.63500, 500=0.59600, 1000=0.50900, 2500=0.42200 (EUR)", Radiation Hardening=No, REACH SVHC="No SVHC", RoHS=Yes, Stock=1485, Supplier 1=Farnell, Switching Frequency=30MHz
IC5: library part STP08CP05MTR, "IC SHIFT REGISTER 8BIT 16SOIC", Case/Package=SO, Manufacturer=STMicroelectronics, Max Input Voltage=5.5V, Max Operating Temperature=125°C, Min Input Voltage=3V, Min Operating Temperature=-40°C, Nominal Supply Current=13.5mA, Output Current=100mA, Output Voltage=20V, Package Quantity=1, Supplier Part Number 1=2460704, Switching Frequency=30MHz, Category="Shift Registers", ComponentLink1Description=https://datasheet.ciiva.com/26807/getdatasheetpartid-50603-26807446.pdf?src-supplier=Verical, ComponentLink1URL=https://datasheet.ciiva.com/26807/getdatasheetpartid-50603-26807446.pdf?src-supplier=Verical, ComponentLink2Description=https://datasheet.ciiva.com/41455/001185564-da-01-en-ic-shift-regist-stp08cp05mtr-soic-16-stm-41455644.pdf?src-supplier=Conrad, ComponentLink2URL=https://datasheet.ciiva.com/41455/001185564-da-01-en-ic-shift-regist-stp08cp05mtr-soic-16-stm-41455644.pdf?src-supplier=Conrad, ComponentLink3Description=https://datasheet.ciiva.com/16491/cd00160230-16491197.pdf?src-supplier=Future+Electronics, ComponentLink3URL=https://datasheet.ciiva.com/16491/cd00160230-16491197.pdf?src-supplier=Future+Electronics, Contact Plating=Gold, Lead Free="Lead Free", Logic Function="Shift Register", Manufacturer Part Number=STP08CP05MTR, Max Supply Voltage=5.5V, Min Supply Voltage=3V, Mount="Surface Mount", Number of Bits per Element=8, Number of Circuits=1, Number of Elements=1, Number of Input Lines=1, Number of Output Lines=9, Number of Outputs=8, Number of Pins=16, Output Current per Channel=100mA, Packaging="Tape and Reel", Price=0.837, Pricing="1=0.78800, 50=0.68900, 100=0.44400, 250=0.41500, 500=0.38500, 1000=0.35600, 2500=0.30100, 5000=0.28900 (EUR)", Propagation Delay=28ns, Radiation Hardening=No, REACH SVHC="No SVHC", RoHS=Yes, Stock=5551, Supplier 1=Farnell
IC6: library part AD5290YRMZ10, "DIGIPOT 8BIT 10K, SMD, 5290, MSOP10", Case/Package=MSOP, Frequency=4MHz, Manufacturer="Analog Devices", Max Dual Supply Voltage=15V, Max Operating Temperature=125°C, Max Supply Current=15uA, Max Supply Voltage=30V, Min Dual Supply Voltage=10V, Min Operating Temperature=-40°C, Min Supply Voltage=20V, Package Quantity=50, Resistance=10kR, Supplier Part Number 1=1274278, Temperature Coefficient=35ppm/°C, Tolerance=30%, Voltage=35V, -3db Bandwidth=470Hz, Category="Digital Potentiometers", ComponentLink1Description=https://datasheet.ciiva.com/1145/1519523-1145622.pdf?src-supplier=Element14, ComponentLink1URL=https://datasheet.ciiva.com/1145/1519523-1145622.pdf?src-supplier=Element14, ComponentLink2Description=https://datasheet.ciiva.com/25918/ad5290-25918522.pdf?src-supplier=Avnet+Europe, ComponentLink2URL=https://datasheet.ciiva.com/25918/ad5290-25918522.pdf?src-supplier=Avnet+Europe, ComponentLink3Description=https://datasheet.ciiva.com/1331/ad5290-1331012.pdf?src-supplier=Digi-Key, ComponentLink3URL=https://datasheet.ciiva.com/1331/ad5290-1331012.pdf?src-supplier=Digi-Key, ComponentLink4Description=https://datasheet.ciiva.com/16471/ad5290-16471686.pdf?src-supplier=Avnet+Asia, ComponentLink4URL=https://datasheet.ciiva.com/16471/ad5290-16471686.pdf?src-supplier=Avnet+Asia, ComponentLink5Description=https://datasheet.ciiva.com/3045/ad5290-3045389.pdf?src-supplier=Avnet, ComponentLink5URL=https://datasheet.ciiva.com/3045/ad5290-3045389.pdf?src-supplier=Avnet, Contact Plating=Tin,Matte, Height=0.85mm, Interface=SPI, Lead Free="Contains Lead", Length=3mm, Manufacturer Part Number=AD5290YRMZ10, Memory Type=Volatile, Mount="Surface Mount", Nominal Supply Current=15uA, Number of Circuits=1, Number of Elements=1, Number of Pins=10, Number of Positions=256, Number of Taps=256, Operating Supply Current=15uA, Packaging=Rail/Tube, Price=4.93, Pricing="1=5.36000, 10=4.31000, 25=3.90000, 50=3.71000, 100=3.55000, 250=3.20000, 500=2.75000 (EUR)", Radiation Hardening=No, REACH SVHC="No SVHC", RoHS=Yes, Stock=199, Supplier 1=Farnell, Taper=Linear, Width=3mm